# KiCad board Galatea Keyboard PCB.kicad_pcb (continued)
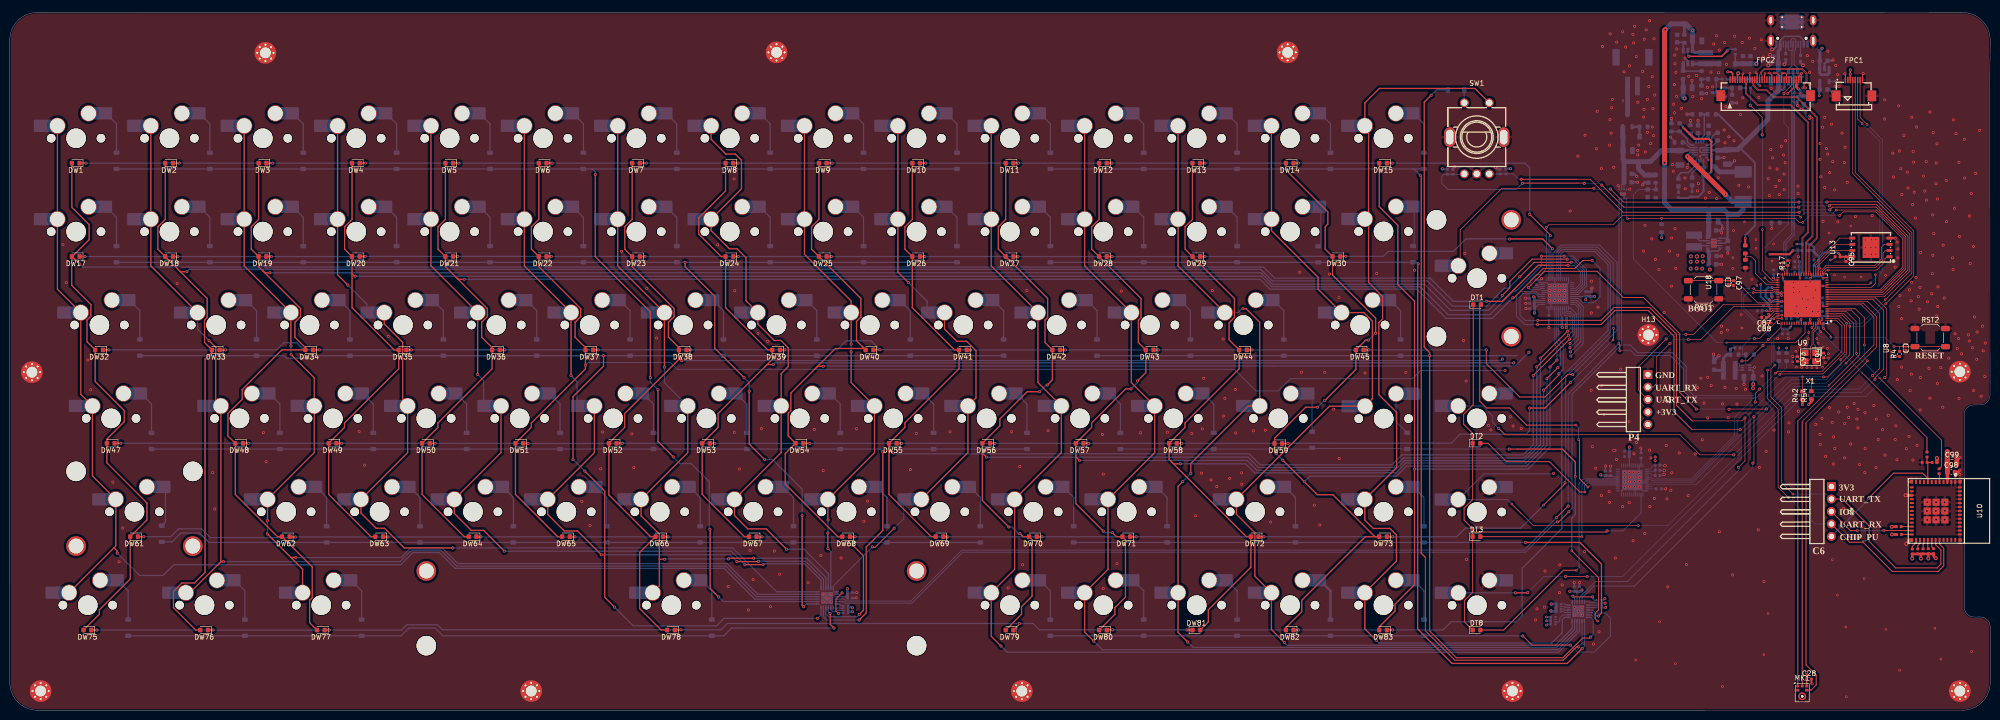
[diagram p0: board, top side]
## Routing (per net, layer and track width the routed paths; a pad name or vN(x,y) marks a point on that pad's centre or on a via; arc(x,y) is an arc through that point) (continued)
  Bottom w0.2: U3.31 315.58,74.95 316.31,74.22 316.31,70.39 v1(315.79,69.87)
  Bottom w0.254: v1(313.56,67.64) 313.56,54 309.37,49.81 284.96,49.81 282.9,47.75 265.22,47.75 v1(264.08,46.61) ; v1(266.75,61.8) 268.13,63.18 v1(268.25,63.18) ; v1(277.16,75.5) 278.57,76.91 v1(278.62,76.91) ; v1(258.3,52.38) 258.31,52.38 v1(259.69,51)
CS15: length 159.8
  Top w0.2: v1(315.61,71.44) 314.19,70.02
  Top w0.254: DW15.2 279.36,102.73 283.16,98.93 283.16,86.82 286.55,83.42 286.55,25.62 282.59,21.66 282.59,20.25 279.36,17.02 DW83.2
  Bottom w0.2: v1(315.61,71.44) 315.61,74.1 315.18,74.53 U3.32
  Bottom w0.254: v1(286.57,49.18) 309.71,49.18 314.19,53.66 314.19,70.02
  vias: v1(314.19,70)
CS_1: length 61.4
  Top w0.2: v2(320.01,55.22) 320.2,55.03 320.2,47.24 v2(321.93,45.51) ; DT1.2 299.86,82.5 299.86,63.06 301.26,61.65 305.92,61.65 309.41,58.16 v2(319.49,58.16)
  Bottom w0.2: v2(321.93,45.51) 322.37,45.95 U7.16 ; v2(319.49,58.16) 320.01,57.64 v2(320.01,55.22)
CS_2: length 33.8
  Top w0.2: v2(321.33,44.51) 320.27,44.51 314.08,50.7 305.3,50.7 301.56,54.45 DT2.2
  Top w0.254: 300.01,54.48 DT2.2
  Bottom w0.2: v2(321.33,44.51) 321.21,44.63 321.21,45.73 321.83,46.35 U7.17
CS_3: length 38.9
  Top w0.2: DT3.2 v2(320.67,35.4)
  Top w0.254: 299.99,35.39 DT3.2
  Bottom w0.2: v2(320.67,35.4) 320.69,35.42 320.69,45.96 321.48,46.75 U7.18
CS_4: length 50.9
  Top w0.2: DT8.2 304.73,16.35 316.93,28.55 v2(319.57,28.55)
  Top w0.254: 300,16.37 DT8.2
  Bottom w0.2: U7.19 320.99,47.15 320.13,46.29 320.13,35.65 320.12,35.63 320.12,35.17 320.13,35.16 320.13,29.11 v2(319.57,28.55)
ESP_3V3: length 130.3
  Top w0.127: U9.62 361.37,85.15 v2(361.39,85.17) ; v2(369.89,86.55) 369.9,86.55 U9.21 ; v2(369.67,79.7) 369.37,79.4 U9.102 ; R4.1 v1(384.6,72.15) ; v2(367.27,79.71) 367.27,79.71 U9.96 ; U9.75 361.47,80.59 v2(361.47,80.59) ; U9.101 369.02,79.7 v2(369,79.72) ; U9.9 370.03,82.34 v2(369.91,82.45) ; v2(361.72,88.14) 361.67,88.2 U9.51 ; U9.77 361.46,79.9 v2(361.47,79.91)
  Top w0.3: v1(366.53,7.68) 366.54,7.67 C28.1 MK1.5 ; FPC2.28 364.44,127.61 ; FPC1.3 v1(375.45,129.79) 375.45,130.6 v1(375.46,130.61)
  Top w0.4: 395.25,47.23 395.26,47.23 U10.3
  Top w0.5: R52.2 383.93,37.45 v4(383.9,37.41) ; v4(391.37,30.96) 391.37,30.96 R22.2 ; v4(383.95,35.86) 383.96,35.85 R18.2 ; 389.84,31.87 392.39,31.87 R23.2 392.46,31.44 v4(392.89,31.01) ; 389.84,31.87 389.84,30.96 v4(389.87,30.93) ; 389.84,31.87 R19.2 388.09,30.94 v4(388.09,30.93) ; R42.1 365.69,62.3 v2(365.68,62.29) ; 364.44,127.61 364.44,127.17 v2(364.86,126.75) ; R54.1 367.52,62.93 v2(366.94,62.35)
  Top w0.7: v4(393.12,51.43) 393.14,51.41 R53.2 ; C98.1 395.26,47.24 395.25,47.23
  Top w1: v1(395.24,52.73) 395.23,52.72 v1(395.23,52.06) v1(395.23,51.37) C99.1 395.26,50.4 C98.1
  Bottom w0.127: U7.39 334.55,48.35 335.02,47.88 C27.1 v1(335.65,50.92) v1(335.65,51.65) ; C25.1 335.4,50 334.55,49.15 U7.37 ; U7.38 335.49,48.75 C26.1
  Bottom w0.2: U11.3 355.47,69.39 355.62,69.23 ; U3.39 311.46,83.6 C9.1 ; U2.21 319.71,24.2 319.68,24.23 319.72,24.19 ; U3.20 321.48,84.4 C7.1 ; 170.89,23.36 170.69,23.16 U1.21 ; U3.38 311.23,83.2 C10.1 ; U3.29 316.38,80.64 316.64,80.38 C6.1 ; C11.1 311.91,82.8 U3.37 ; C21.1 326.87,47.84 327.16,47.55 U7.20 ; U7.29 C24.1
  Bottom w0.3: U15.10 348.82,93.95 348.54,93.67 346.66,93.67 346.4,93.94 U15.1 ; v2(362.44,73.91) 362.45,73.9 R41.1 ; R40.1 360.88,73.92 v2(360.87,73.93) ; v1(325.38,22.75) 325.06,22.43 RN5.1 RN5.4 325.5,20.93 v1(325.54,20.97) ; RN5.2 325.35,21.93 v1(325.44,21.83)
  Bottom w0.381: v2(361.39,85.17) 361.43,85.21 C35.1 362.09,85.22 C48.1 361.72,87.72 v2(361.72,88.14) ; v2(361.39,85.17) 361.39,84.66 v2(361.46,84.59) ; v2(361.39,85.17) 361.3,85.08 C89.1 ; v2(369.67,79.7) 369.67,80.34 C52.1 ; 355.62,69.23 355.65,69.21 C41.1 v4(355.65,66.49) 355.65,65.72 v4(355.61,65.68)
  Bottom w0.4: v1(171.89,20.89) 171.75,21.02 171.06,21.02 ; RN1.4 171.06,20.07 ; 171.06,20.07 171.88,20.07 v1(171.89,20.08) ; 171.06,20.07 171.06,21.02 ; v2(313.47,19.02) 313.48,19.01 RN2.4 314.31,18.31 ; v2(313.47,18.22) 313.56,18.31 314.31,18.31 ; C55.1 367.27,78.99 v2(367.27,79.71) ; v1(324.52,48.03) 324.7,47.85 C22.1 325.48,47.84 C21.1 ; v2(369.91,82.45) 369.91,83.03 C51.1 368.77,83.14 C36.1 ; v2(313.48,17.35) 313.64,17.51 RN2.1 314.31,18.31 ; 171.06,21.02 RN1.1 ; v2(369.89,86.55) C50.1 ; v2(369,79.72) C54.1 ; C53.1 370.77,80.39 C52.1 ; R57.1 v2(364.53,95.09)
  Bottom w0.5: v1(292.21,110.45) 292.32,110.34 R9.1 ; R28.1 354.26,128.69 ; 354.26,128.69 355.69,128.69 v2(356.99,127.38) ; 354.26,128.69 354.27,128.67 ; v1(170.87,24.77) 170.88,24.76 C2.1 170.89,23.97 C1.1 ; R10.1 306.08,110.42 v1(306.14,110.48) ; C24.1 C23.1 330.36,53.66 v1(330.37,53.67) ; 365.25,125.22 365.25,126.36 v2(364.86,126.75) ; 365.25,125.22 C69.1 ; 365.25,125.22 364.69,125.22 C70.1 ; C6.1 316.62,79.85 C5.1 316.62,78.16 v1(316.71,78.07) ; v1(311.02,81.02) 311.04,81.04 C11.1 311.03,81.94 C9.1 311.03,84.34 310.96,84.42 310.88,84.42 310.88,84.33 v1(310.87,84.32) ; v2(336.96,96.4) 336.95,96.41 R39.1 ; v1(323.3,84.42) C8.1 C7.1 321.5,83.76 v1(321.49,83.75) ; v1(320.71,24.52) 320.71,24.43 320.51,24.23 C3.1 C4.1 318.24,24.23 v1(318.22,24.25)
  Bottom w0.6: v1(314.37,20.27) 314.49,20.15 RN6.1 RN6.4 314.46,21.65 v1(314.45,21.66)
  Bottom w0.7: C73.1 346.62,91.06 C72.1 346.62,93.33 346.41,93.55 346.41,93.93
  vias: v4(342.9,91.46) v4(342.9,90.09) v4(342.93,92.58) v4(344.1,90.12) v4(344.15,92.58) v4(344.15,92.58) v4(344.17,91.51) v4(345.24,90.09) v4(345.37,92.63) v4(345.39,91.51) v4(346.79,89.91)
ESP_LDO_VO1: length 21.4
  Top w0.127: v2(359.08,81.8) 359.27,81.99 U9.71
  Top w0.4: v2(359.04,93.01) 363.02,93.01 v2(363.74,93.73)
  In2.Cu w0.4: v2(359.04,93.01) 357.17,91.14 v2(357.17,86.85)
  Bottom w0.4: v2(359.08,81.8) 359.08,82.17 C62.1 358.72,82.84 357.83,83.73 357.81,83.73 357.17,84.37 v2(357.17,86.85) ; R56.1 363.81,93.8 v2(363.74,93.73)
ESP_VDD_HP: length 54.7
  Top w0.127: v2(359.86,79.85) 359.86,79.89 360.22,80.24 U9.76 ; U9.54 360.02,87.94 v2(359.79,88.18) ; U9.91 365.51,79.61 v2(365.41,79.7) ; U9.26 370.1,88.29 v2(369.92,88.11)
  In2.Cu w0.6: 356.72,79.85 356.72,85.07 359.79,88.13 v2(359.79,88.18) 360.68,89.07 368.96,89.07 v2(369.92,88.11) ; 356.72,79.85 v2(359.86,79.85) 360.12,79.85 360.92,79.05 362.7,79.05 363.35,79.7 v2(365.41,79.7) ; 356.72,79.85 350.99,74.12 v2(350.99,73.65)
  Bottom w0.254: v2(365.41,79.7) 364.92,79.21 C56.1
  Bottom w0.381: C59.1 359.84,79.83 v2(359.86,79.85) ; C92.1 359.83,88.23 v2(359.79,88.18)
  Bottom w0.4: C44.1 C40.1 369.55,88.53 369.92,88.17 v2(369.92,88.11) ; v2(350.99,73.65) 351.23,73.89 C14.1
  Bottom w0.6: 347.56,69.44 347.68,69.32 U12.2 349.56,71.8 350.3,72.54 R13.1 350.99,73.65 v2(350.99,73.65)
IICRST: length 2
  Bottom w0.127: U7.47 R11.1
IICRST1: length 1.4
  Bottom w0.2: R1.1 311.43,86.8 U3.47 ; 311.39,86.8 311.38,86.79
ISET: length 1.6
  Bottom w0.2: U7.35 R12.1
ISET1: length 1.5
  Bottom w0.2: U3.35 R2.1
KEY_INT: length 1.5
  Bottom w0.2: U1.24 169.21,21.66 169.56,21.31 RN1.8
KEY_INT1: length 2.6
  Bottom w0.2: U2.24 322.2,22.12 322.39,21.93 RN5.7
LEDA: length 12.7
  Top w0.3: v4(352.59,129.94) 352.44,129.79 FPC2.4
  In2.Cu w0.7: v4(356.28,131.87) C63.1 352.59,130.89 v4(352.59,129.94)
  Bottom w0.3: R25.1 351.99,131.89 D31.1
  Bottom w1: v4(356.28,131.87) C64.1 C63.1 D31.1
LEDK: length 23
  Top w0.3: FPC2.2 351.44,129.93 351.16,130.21 350.46,130.21 v1(350.45,130.22)
  In2.Cu w1: 346.13,123.74 342.43,123.74 341.63,124.54 v4(341.63,124.83) ; 346.13,123.74 349.26,123.74 ; 346.13,123.74 348.24,125.85 348.24,126.46 350.45,128.67 v1(350.45,130.22)
  Bottom w0.7: R26.1 341.33,127.02 R27.1
  Bottom w1: v4(341.63,124.83) 341.36,125.11 R27.1
ROW0: length 291.8
  Top w0.254: v1(119.43,109.28) 119.43,92.51 130.67,81.27 v1(130.67,67.87) ; v1(144.61,23.1) 142.86,24.85 142.86,36.86 v1(142.82,36.9) ; v1(132.23,65.38) 132.23,54.79 v1(135.35,51.67)
  Bottom w0.254: v1(132.23,65.38) 130.67,66.94 v1(130.67,67.87) ; 118.58,110.42 118.85,110.42 119.43,109.84 v1(119.43,109.28) ; 118.58,110.42 D7.2 D8.2 D9.2 D10.2 ; 118.58,110.42 D6.2 D5.2 D4.2 D3.2 D2.2 D1.2 ; 159.85,22.16 U1.8 ; 159.85,22.16 145.55,22.16 v1(144.61,23.1) ; 159.85,22.16 159.97,22.16 ; v1(135.35,51.67) 136.71,50.31 139.01,50.31 142.67,46.65 142.67,37.05 v1(142.82,36.9)
ROW1: length 255.8
  Top w0.254: v1(150.83,65.08) 150.83,54.28 v1(153.98,51.13) ; v1(161.93,21.11) 161.63,21.41 v1(161.63,39.69) ; v1(137.76,91.37) 137.76,90.48 143.81,84.43 143.81,73.83 v1(149.79,67.85)
  Bottom w0.254: v1(150.83,65.08) 150.83,66.81 v1(149.79,67.85) ; v1(161.93,21.11) 162.48,21.66 U1.7 ; v1(153.98,51.13) 155.59,51.13 161.63,45.1 v1(161.63,39.69) ; D26.2 D25.2 D24.2 v1(137.76,91.37) D23.2 D22.2 D21.2 D20.2 D19.2 D18.2 D17.2
ROW2: length 280.3
  Top w0.254: v1(121.11,72.32) 121.11,70.17 114.89,63.95 v1(114.89,51.13) ; v1(123.37,21.02) 121.36,23.03 121.36,44.72 v1(117.31,48.77)
  Bottom w0.254: U1.6 165.48,19.37 164.84,18.73 v1(164.78,18.73) 145.71,18.73 144.18,17.2 127.19,17.2 v1(123.37,21.02) ; D41.2 D40.2 D39.2 D38.2 D37.2 v1(121.11,72.32) D36.2 D35.2 D34.2 61.95,72.32 61.43,71.8 56.49,71.8 55.97,72.32 D33.2 D32.2 ; v1(114.89,51.13) 114.95,51.13 v1(117.31,48.77)
ROW3: length 225.1
  Top w0.254: v1(178.1,52.76) 178.1,36.68 174.71,33.29 174.71,19.85 v1(173.26,18.4)
  Bottom w0.254: 177.59,53.27 v1(178.1,52.76) ; 177.59,53.27 D55.2 D56.2 ; 177.59,53.27 D54.2 D53.2 D52.2 D51.2 D50.2 D49.2 D48.2 D47.2 ; U1.5 165.98,19.1 166.68,18.4 v1(173.26,18.4)
ROW4: length 193.2
  Top w0.254: v1(172.01,33.62) 174.14,31.49 174.14,20.39 v1(173.3,19.55)
  Bottom w0.254: 171.68,34.22 D68.2 D69.2 ; 171.68,34.22 D67.2 D66.2 D65.2 D64.2 D63.2 D62.2 40.65,34.22 40.64,34.21 38.71,36.14 34.9,36.14 33.09,34.34 D61.2 ; 171.68,34.22 171.68,33.95 v1(172.01,33.62) ; U1.4 166.48,19.63 167.03,19.08 172.82,19.08 v1(173.3,19.55)
ROW5: length 150.6
  Top w0.254: v1(168.13,16.76) 167.38,17.51 167.38,19.68 v1(167.31,19.76)
  Bottom w0.254: U1.3 166.98,20.08 v1(167.31,19.76) ; v1(168.13,16.76) 147.23,16.76 145.64,15.17 D78.2 88.34,15.17 86.75,16.76 81.43,16.76 79.84,15.17 D77.2 D76.2 D75.2
ROW_0: length 212
  Top w0.2: v1(319.97,12.91) 319.62,12.91 316.91,10.2 294.78,10.2 288.77,16.21 288.77,31.17
  Top w0.254: 288.77,31.17 287.92,32.02 287.92,108.93 v1(287.72,109.13)
  Bottom w0.2: U2.8 320.71,13.65 v1(319.97,12.91)
  Bottom w0.254: D11.2 D12.2 D13.2 D14.2 286.23,110.42 ; v1(287.72,109.13) 286.44,110.42 286.23,110.42 ; 286.23,110.42 D15.2
ROW_1: length 193.3
  Top w0.254: v1(320.75,12.58) 317.72,9.54 294.23,9.54 287.19,16.58 287.19,90.93 287.3,91.04 v1(287.3,91.07)
  Bottom w0.2: U2.7 321.21,14.6
  Bottom w0.254: D27.2 D28.2 D29.2 287,91.37 v1(287.3,91.07) ; v1(320.75,12.58) 321.21,13.04 321.21,14.6
ROW_2: length 241.8
  Top w0.2: v1(322.48,14.91) 322.28,14.71 320.85,14.71 316.83,10.69 295.1,10.69 289.64,16.15 289.64,31.18
  Top w0.254: v1(289.95,125.45) 288.54,124.04 288.54,74.05 289.63,72.96 v1(289.63,72.32) 289.63,31.19 289.64,31.18
  Bottom w0.2: v1(322.48,14.91) 322.99,15.42 322.99,18.46 322.52,18.94 U2.6
  Bottom w0.254: RD1.2 291.04,126.54 v1(289.95,125.45) ; D42.2 D43.2 D44.2 D45.2 v1(289.63,72.32) 307.51,72.32
ROW_3: length 133.7
  Top w0.2: 318.63,32.51 324.09,27.05 324.09,20.46 323.42,19.79 323.42,18.66 v2(323.89,18.19) ; v1(305.87,53.27) 307.51,53.27
  Top w0.254: v2(319.35,47.68) 319.35,50.64 316.72,53.27 307.51,53.27
  Bottom w0.2: 307.51,53.27 283.79,53.27 283.66,53.4 265.79,53.4 D85.2 265.42,53.27 D58.2 D57.2 ; v2(323.89,18.19) 323.42,18.67 323.42,18.67 322.66,19.44 U2.5
  Bottom w0.254: 318.63,32.51 318.63,39.2 319.35,39.92 v2(319.35,47.68)
  vias: v2(318.63,32.53)
ROW_4: length 122.9
  Top w0.254: v1(309.19,34.22) 320.28,34.22 324.69,29.81 324.69,19.8 v1(324.08,19.19)
  Bottom w0.2: 323.3,19.4 322.77,19.94 U2.4
  Bottom w0.254: v1(309.19,34.22) D73.2 D72.2 D71.2 D70.2 ; v1(324.08,19.19) 324.01,19.27 323.43,19.27 323.3,19.4
ROW_5: length 125.9
  Top w0.2: v1(318.34,13.28) 318.33,13.29 310.51,13.29 v1(308.66,15.14)
  Bottom w0.2: 307.51,15.17 307.54,15.14 v1(308.66,15.14) ; v1(318.34,13.28) 318.37,13.28 319.78,11.87 323.23,11.87 326.5,15.14 326.5,18.8 325.47,19.84 323.51,19.84 322.92,20.44 U2.3
  Bottom w0.254: 307.51,15.17 D83.2 D82.2 D81.2 D80.2 D79.2
SW1: length 336.5
  Top w0.2: v1(310.06,101.14) 314.26,96.94 v1(314.26,96.82)
  Top w0.254: DW15.1 v1(282,111.6) ; DW5.1 v1(91.62,111.6) ; DW2.1 v1(34.55,111.6) ; DW9.1 v1(167.74,111.6) ; DW14.1 v1(262.89,111.6) ; DW13.1 v1(243.84,111.6) ; DW7.1 v1(129.85,111.6) ; DW6.1 v1(110.62,111.6) ; DW1.1 v1(15.53,111.6) ; DW3.1 v1(53.6,111.6) ; DW10.1 v1(186.84,111.6) ; DW11.1 v1(205.76,111.6) ; DW8.1 v1(148.58,111.6) ; DW4.1 v1(72.55,111.6) ; DW12.1 v1(224.83,111.6)
  Bottom w0.2: U3.2 313.98,96.54 v1(314.26,96.82)
  Bottom w0.254: v1(310.06,101.14) 310.06,110.62 309.08,111.6 v1(282,111.6) v1(262.89,111.6) v1(243.84,111.6) v1(224.83,111.6) v1(205.76,111.6) v1(186.84,111.6) v1(167.74,111.6) v1(148.58,111.6) v1(129.85,111.6) v1(110.62,111.6) v1(91.62,111.6) v1(72.55,111.6) v1(53.6,111.6) v1(34.55,111.6) v1(15.53,111.6)
SW2: length 322.4
  Top w0.254: v1(224.85,92.55) DW28.1 ; v1(129.59,92.55) DW23.1 ; v1(167.62,92.55) DW25.1 ; v1(186.65,92.55) DW26.1 ; DW27.1 204.74,92.54 v1(205.66,92.54) ; v1(110.46,92.57) 109.5,92.57 DW22.1 ; DW17.1 15.33,92.55 v1(15.34,92.54) ; v1(272.54,92.59) 271.45,92.59 DW30.1 ; DW20.1 71.41,92.58 v1(72.51,92.58) ; DW21.1 90.46,92.58 v1(91.33,92.58) ; DW18.1 33.29,92.54 v1(34.31,92.54) ; v1(53.34,92.54) 52.34,92.54 DW19.1 ; v1(314.68,94.17) 312.72,96.13 v1(305.97,96.13) ; v1(148.64,92.55) DW24.1 ; v1(243.79,92.55) DW29.1
  Bottom w0.2: U3.3 314.38,93.86 v1(314.68,94.17)
  Bottom w0.254: v1(15.34,92.54) v1(34.31,92.54) v1(53.34,92.54) 72.47,92.54 v1(72.51,92.58) v1(91.33,92.58) 110.45,92.58 v1(110.46,92.57) 129.57,92.57 v1(129.59,92.55) v1(148.64,92.55) v1(167.62,92.55) v1(186.65,92.55) 205.65,92.55 v1(205.66,92.54) 224.84,92.54 v1(224.85,92.55) 224.86,92.54 243.78,92.54 v1(243.79,92.55) 243.8,92.56 263.43,92.56 263.46,92.59 v1(272.54,92.59) 280.19,92.59 281.2,93.6 294.5,93.6 297.04,96.14 305.96,96.14 v1(305.97,96.13)
SW3: length 370.9
  Top w0.2: v1(301.2,73.5) 301.2,70.71 308.01,63.9 313.19,63.9 317.76,68.47 v1(318.82,68.47)
  Top w0.254: v1(234.28,73.5) DW43.1 ; v1(44,73.51) 42.82,73.51 DW33.1 ; DW39.1 157.12,73.51 v1(158.12,73.51) ; v1(196.01,73.49) 195.22,73.49 DW41.1 ; v1(277.2,73.5) DW45.1 ; v1(138.93,73.52) 138.08,73.52 DW38.1 ; v1(100.95,73.51) 99.97,73.51 DW36.1 ; v1(253.4,73.5) DW44.1 ; v1(81.94,73.51) 80.92,73.51 DW35.1 ; DW32.1 v1(20.2,73.5) ; DW40.1 176.19,73.53 v1(177.51,73.53) ; v1(63.15,73.51) 61.87,73.51 DW34.1 ; v1(215.32,73.5) DW42.1 ; v1(120.03,73.51) 119.02,73.51 DW37.1
  Bottom w0.2: U3.4 314.78,93.22 316.44,94.88 324.3,94.88 327.87,91.31 327.87,77.52 v1(318.82,68.47)
  Bottom w0.254: v1(20.2,73.5) 43.99,73.5 v1(44,73.51) 54.45,73.51 54.46,73.5 55.92,74.96 58.53,74.96 59.98,73.51 v1(63.15,73.51) v1(81.94,73.51) v1(100.95,73.51) v1(120.03,73.51) 138.92,73.51 v1(138.93,73.52) 158.11,73.52 v1(158.12,73.51) 168.76,73.51 170.62,75.37 175.67,75.37 v1(177.51,73.53) 195.97,73.53 v1(196.01,73.49) 215.31,73.49 v1(215.32,73.5) v1(234.28,73.5) v1(253.4,73.5) v1(277.2,73.5) v1(301.2,73.5)
SW4: length 364.8
  Top w0.2: v2(327.04,75.53) 327.15,75.64 v2(327.15,77.89) ; v1(318.39,66.87) 318.36,66.87
  Top w0.254: v1(86.77,54.44) 85.68,54.44 DW50.1 ; v1(105.72,54.41) 104.76,54.41 DW51.1 ; v1(200.97,54.43) 199.99,54.43 DW56.1 ; v1(310.01,61.63) 313.15,61.63 v1(318.39,66.87) ; v1(143.82,54.43) 142.84,54.43 DW53.1 ; v1(124.95,54.45) DW52.1 ; DW58.1 238.08,54.44 v1(239.08,54.44) ; DW59.1 260.68,54.4 v1(260.71,54.44) ; DW55.1 180.94,54.43 v1(181.89,54.43) ; v1(67.72,54.45) DW49.1 ; DW47.1 22.64,54.45 v1(22.65,54.46) ; v1(163.19,54.43) 161.89,54.43 DW54.1 ; DW57.1 219.04,54.43 v1(220.13,54.43) ; v1(48.66,54.45) DW48.1
  Bottom w0.2: v2(327.04,75.53) v1(318.39,66.87) ; v2(327.15,77.89) 327.08,77.96 327.08,91.25 323.88,94.45 316.57,94.45 315.58,93.46 U3.6
  Bottom w0.254: v1(310.01,61.63) 310.01,61.63 310.01,57.01 309.31,56.31 295.87,56.31 294.04,54.48 283.59,54.48 283.57,54.46 260.8,54.46 260.78,54.44 v1(260.71,54.44) v1(239.08,54.44) 239.07,54.43 v1(220.13,54.43) v1(200.97,54.43) v1(181.89,54.43) v1(163.19,54.43) v1(143.82,54.43) 143.8,54.45 v1(124.95,54.45) 124.91,54.41 v1(105.72,54.41) 105.69,54.44 v1(86.77,54.44) 86.76,54.45 v1(67.72,54.45) v1(48.66,54.45) 48.65,54.46 v1(22.65,54.46)
SW5: length 376.1
  Top w0.2: v1(317.26,46.41) 317.26,46.2 v2(312.89,41.84)
  Top w0.254: DW68.1 171.43,35.37 v1(172.43,35.37) ; DW65.1 114.29,35.36 v1(115.29,35.36) ; DW62.1 57.16,35.34 v1(58.27,35.34) ; v1(134.32,35.36) 133.34,35.36 DW66.1 ; v1(191.33,35.37) 190.48,35.37 DW69.1 ; v1(282.11,35.38) 280.95,35.38 DW73.1 ; DW71.1 228.57,35.38 v1(229.77,35.38) ; DW64.1 95.24,35.36 v1(96.1,35.36) ; DW70.1 209.52,35.38 v1(210.58,35.38) ; v1(255.85,35.39) 254.75,35.39 DW72.1 ; v1(77.15,35.34) 76.21,35.34 DW63.1 ; v1(153.44,35.36) 152.39,35.36 DW67.1 ; DW61.1 v1(27.33,35.4)
  Bottom w0.2: v1(317.26,46.41) 317.33,46.41 317.4,46.48 317.4,67.95 326.51,77.07 326.51,91.09 325.6,92.01 325.6,92.01 323.6,94.01 316.7,94.01 315.98,93.29 U3.7
  Bottom w0.254: v2(312.89,41.84) 308.2,37.14 296.9,37.14 295.14,35.38 v1(282.11,35.38) 282.1,35.39 v1(255.85,35.39) 255.84,35.38 v1(229.77,35.38) v1(210.58,35.38) 210.57,35.37 v1(191.33,35.37) v1(172.43,35.37) 172.42,35.36 v1(153.44,35.36) v1(134.32,35.36) v1(115.29,35.36) v1(96.1,35.36) 96.08,35.34 v1(77.15,35.34) v1(58.27,35.34) 58.14,35.21 40.87,35.21 39.08,37 34.44,37 32.84,35.4 v1(27.33,35.4)
SW6: length 399.5
  Top w0.254: DW79.1 205.95,17.57 v1(205.95,17.68) ; DW75.1 v1(17.76,16.35) ; v1(136.94,16.4) 135.73,16.4 DW78.1 ; DW76.1 40.44,16.34 v1(41.46,16.34) ; v1(282.07,16.37) 280.95,16.37 DW83.1 ; DW81.1 241.24,16.37 v1(240.14,16.37) ; v1(224.95,16.39) 223.82,16.39 DW80.1 ; DW82.1 261.9,16.37 v1(262.9,16.37) ; DW77.1 64.25,16.34 v1(65.15,16.34)
  Bottom w0.2: U3.8 316.38,92.97 316.99,93.58 323.34,93.58 326.03,90.89 326.03,77.48 316.58,68.02 316.58,66.66 316.58,66.66
  Bottom w0.254: 316.58,66.66 316.58,37.03 308.51,28.95 308.51,19.32 307.23,18.04 294.04,18.04 292.37,16.37 v1(282.07,16.37) v1(262.9,16.37) v1(240.14,16.37) 240.12,16.39 v1(224.95,16.39) 210.04,16.39 208.75,17.68 v1(205.95,17.68) 148.86,17.68 148.85,17.69 146.39,17.69 145.1,16.4 v1(136.94,16.4) 136.93,16.41 88.27,16.41 87.25,17.43 80.99,17.43 79.9,16.34 v1(65.15,16.34) v1(41.46,16.34) 41.45,16.35 v1(17.76,16.35)
SW_1: length 110.7
  Top w0.2: 298.41,36.69 298.75,36.35 325.62,36.35 v1(325.85,36.58) ; 298.41,36.69 DT3.1 298.41,24.05 296.73,22.37 296.73,18.03 DT8.1 ; 298.41,36.69 298.41,37.05 296.67,38.78 296.67,41.23 298.41,42.97 DT2.1 298.41,56.5 296.56,58.34 296.56,60.34 298.54,62.32 DT1.1
  Bottom w0.2: v1(325.85,36.58) 329.09,36.58 332.76,40.25 U7.2
SYS: length 140.2
  Top w1: v4(337.55,111.67) 337.55,138.68 v4(337.72,138.85) ; v1(342.24,112.95) v1(350.01,105.18)
  In2.Cu w0.6: v1(343.27,138.63) 343.39,138.51 368.72,138.51 369.69,137.54 v1(369.69,135.04)
  Bottom w0.254: U15.8 349.98,95.28 C16.1 349.96,96.28 U15.6
  Bottom w0.3: 346.41,96.69 346.4,96.68 U15.5 ; v1(342.24,112.95) 342.24,113.23 342.79,113.78 U5.13
  Bottom w0.5: 350.63,101.16 350.4,100.93 350.4,95.84 C16.1
  Bottom w0.6: C13.1 343.27,136.56 U4.6 343.68,134.17 L1.1 ; v1(369.69,135.04) 369.24,134.59 C68.1 369.22,132.47 U14.1 369.22,129.96 369.53,129.65 370.83,129.65 371.12,129.94 U14.3 ; 341.25,140.01 341.61,139.66 R24.1
  Bottom w1: 346.59,101.66 C29.1 346.57,99.72 C71.1 346.57,96.86 346.41,96.69 ; 346.59,101.66 347.1,102.17 349.61,102.17 350.63,101.16 352.6,101.16 353.59,102.15 L3.1 351.39,103.75 350.01,105.13 v1(350.01,105.18) ; 346.59,101.66 346.07,102.18 338.91,102.18 337.57,103.52 337.57,111.65 v4(337.55,111.67) ; v4(337.72,138.85) 338.88,140.01 341.89,140.01 v1(343.27,138.63) C13.1
Net-(B1-IO2): length 11.7
  Bottom w0.3: 365.86,136.74 365.13,137.47 362.02,137.47 361.25,136.71 ; 365.86,136.74 365.94,136.65 J1.A9B4
  Bottom w0.381: 361.14,136.6 361.25,136.71
  Bottom w0.6: 360.94,134.62 361.14,134.82 J1.B9A4
  Bottom w0.7: 360.94,134.62 360.77,134.45 360.77,132.74 360.74,132.71 C79.1
  Bottom w1: C79.1 360.77,132.13 L2.1
Net-(B2-IO2): length 6
  Bottom w0.6: 330.06,121.58 Q2.3 ; CN1.1 330.06,127.29
  Bottom w1: CN1.1 330.02,121.54 Q2.3
Net-(C65-Pad1): length 2.7
  Bottom w0.3: C65.1 345.07,128.72 R31.2 R30.2
Net-(C84-Pad1): length 16.7
  Bottom w0.3: C84.1 348.39,116.16 347,114.78 U5.2 345.01,114.78 344.75,114.52 344.75,113.95 344.92,113.78 U5.4 346.88,113.78 347.09,113.56
  Bottom w0.5: 347.09,113.56 347.25,113.41 347.25,111.33 347.63,110.94
  Bottom w1: 347.63,110.94 348.76,109.81 L3.2
Net-(D1-K): length 8.9
  Bottom w0.254: MX1.2 21.76,119.61 D1.1
Net-(D2-K): length 8.9
  Bottom w0.254: D2.1 40.81,119.61 MX2.2
Net-(D3-K): length 8.9
  Bottom w0.254: MX3.2 59.86,119.61 D3.1
Net-(D4-K): length 8.9
  Bottom w0.254: MX4.2 78.91,119.61 D4.1
Net-(D5-K): length 8.9
  Bottom w0.254: MX5.2 97.96,119.61 D5.1
Net-(D6-K): length 8.9
  Bottom w0.254: MX6.2 117.01,119.61 D6.1
Net-(D7-K): length 8.9
  Bottom w0.254: MX7.2 136.06,119.61 D7.1
Net-(D8-K): length 8.9
  Bottom w0.254: D8.1 155.11,119.61 MX8.2
Net-(D9-K): length 8.9
  Bottom w0.254: D9.1 174.16,119.61 MX9.2
Net-(D10-K): length 8.9
  Bottom w0.254: D10.1 193.21,119.61 MX10.2
Net-(D11-K): length 8.9
  Bottom w0.254: D11.1 212.26,119.61 MX11.2
Net-(D12-K): length 8.9
  Bottom w0.254: D12.1 231.31,119.61 MX12.2
Net-(D13-K): length 8.9
  Bottom w0.254: MX13.2 250.36,119.61 D13.1
Net-(D14-K): length 8.9
  Bottom w0.254: MX14.2 269.41,119.61 D14.1
Net-(D15-K): length 8.9
  Bottom w0.254: MX15.2 288.46,119.61 D15.1
Net-(D16-K): length 8.9
  Bottom w0.2: D16.1 282.8,58.83 MX30.2
Net-(D17-K): length 8.9
  Bottom w0.254: MX17.2 21.76,100.56 D17.1
Net-(D18-K): length 8.9
  Bottom w0.254: D18.1 40.81,100.56 MX18.2
Net-(D19-K): length 8.9
  Bottom w0.254: MX19.2 59.86,100.56 D19.1
Net-(D20-K): length 8.9
  Bottom w0.254: MX20.2 78.91,100.56 D20.1
Net-(D21-K): length 8.9
  Bottom w0.254: D21.1 97.96,100.56 MX21.2
Net-(D22-K): length 8.9
  Bottom w0.254: D22.1 117.01,100.56 MX22.2
Net-(D23-K): length 8.9
  Bottom w0.254: D23.1 136.06,100.56 MX23.2
Net-(D24-K): length 8.9
  Bottom w0.254: MX24.2 155.11,100.56 D24.1
Net-(D25-K): length 8.9
  Bottom w0.254: MX25.2 174.16,100.56 D25.1
Net-(D26-K): length 8.9
  Bottom w0.254: MX26.2 193.21,100.56 D26.1
Net-(D27-K): length 8.9
  Bottom w0.254: D27.1 212.26,100.56 MX27.2
Net-(D28-K): length 8.9
  Bottom w0.254: MX28.2 231.31,100.56 D28.1
Net-(D29-K): length 8.9
  Bottom w0.254: MX29.2 250.36,100.56 D29.1
Net-(D30-K): length 8.4
  Bottom w0.2: MX16.2 267.44,102.55 267.44,95.17 D30.1
Net-(D32-K): length 8.9
  Bottom w0.254: MX32.2 26.53,81.51 D32.1
Net-(D33-K): length 8.9
  Bottom w0.254: MX33.2 50.34,81.51 D33.1
Net-(D34-K): length 8.9
  Bottom w0.254: D34.1 69.39,81.51 MX34.2
Net-(D35-K): length 8.9
  Bottom w0.254: MX35.2 88.44,81.51 D35.1
Net-(D36-K): length 8.9
  Bottom w0.254: MX36.2 107.49,81.51 D36.1
Net-(D37-K): length 8.9
  Bottom w0.254: MX37.2 126.54,81.51 D37.1
Net-(D38-K): length 8.9
  Bottom w0.254: D38.1 145.59,81.51 MX38.2
Net-(D39-K): length 8.9
  Bottom w0.254: MX39.2 164.64,81.51 D39.1
Net-(D40-K): length 8.9
  Bottom w0.254: D40.1 183.69,81.51 MX40.2
Net-(D41-K): length 8.9
  Bottom w0.254: MX41.2 202.74,81.51 D41.1
Net-(D42-K): length 8.9
  Bottom w0.254: MX42.2 221.79,81.51 D42.1
Net-(D43-K): length 8.9
  Bottom w0.254: MX43.2 240.84,81.51 D43.1
Net-(D44-K): length 8.9
  Bottom w0.254: MX44.2 259.89,81.51 D44.1
Net-(D45-K): length 8.9
  Bottom w0.254: D45.1 283.7,81.51 MX45.2
Net-(D46-K): length 8.2
  Bottom w0.2: MX46.2 286.49,102.58 286.49,94.91 D46.1
Net-(D47-K): length 8.9
  Bottom w0.254: MX47.2 28.91,62.46 D47.1
Net-(D48-K): length 8.9
  Bottom w0.254: D48.1 55.1,62.46 MX48.2
Net-(D49-K): length 8.9
  Bottom w0.254: MX49.2 74.15,62.46 D49.1
Net-(D50-K): length 8.9
  Bottom w0.254: D50.1 93.2,62.46 MX50.2
Net-(D51-K): length 8.9
  Bottom w0.254: MX51.2 112.25,62.46 D51.1
Net-(D52-K): length 8.9
  Bottom w0.254: MX52.2 131.3,62.46 D52.1
Net-(D53-K): length 8.9
  Bottom w0.254: MX53.2 150.35,62.46 D53.1
Net-(D54-K): length 8.9
  Bottom w0.254: MX54.2 169.4,62.46 D54.1
Net-(D55-K): length 8.9
  Bottom w0.254: MX55.2 188.45,62.46 D55.1
Net-(D56-K): length 8.9
  Bottom w0.254: MX56.2 207.5,62.46 D56.1
Net-(D57-K): length 8.9
  Bottom w0.254: MX57.2 226.55,62.46 D57.1
Net-(D58-K): length 8.9
  Bottom w0.254: MX58.2 245.6,62.46 D58.1
Net-(D59-A): length 1.3
  Bottom w0.3: R3.2 D59.2
Net-(D59-K): length 6
  Bottom w0.3: D59.1 340.39,109.12 340.95,109.67 342.42,109.67 344.01,111.26 U5.10
Net-(D60-A): length 1.3
  Bottom w0.3: R37.2 D60.2
Net-(D60-K): length 4
  Bottom w0.3: U5.9 344.51,110.9 343.18,109.57 D60.1
Net-(D61-K): length 8.3
  Bottom w0.254: D61.1 31.76,38.4 31.76,45.32 MX61.2
Net-(D62-K): length 8.9
  Bottom w0.254: D62.1 64.63,43.41 MX62.2
